# Altium PCB PCB.PcbDoc (part 2 of 2)
Units mil, origin at the board's own origin, x right, y up, seen from the top; angles counter-clockwise.
Board outline 2755.91 x 2755.91 mil, 2 copper layers (Top Layer, Bottom Layer), stack 61.811 mil thick; 228 components, 135 nets, 649 pads, 349 vias.
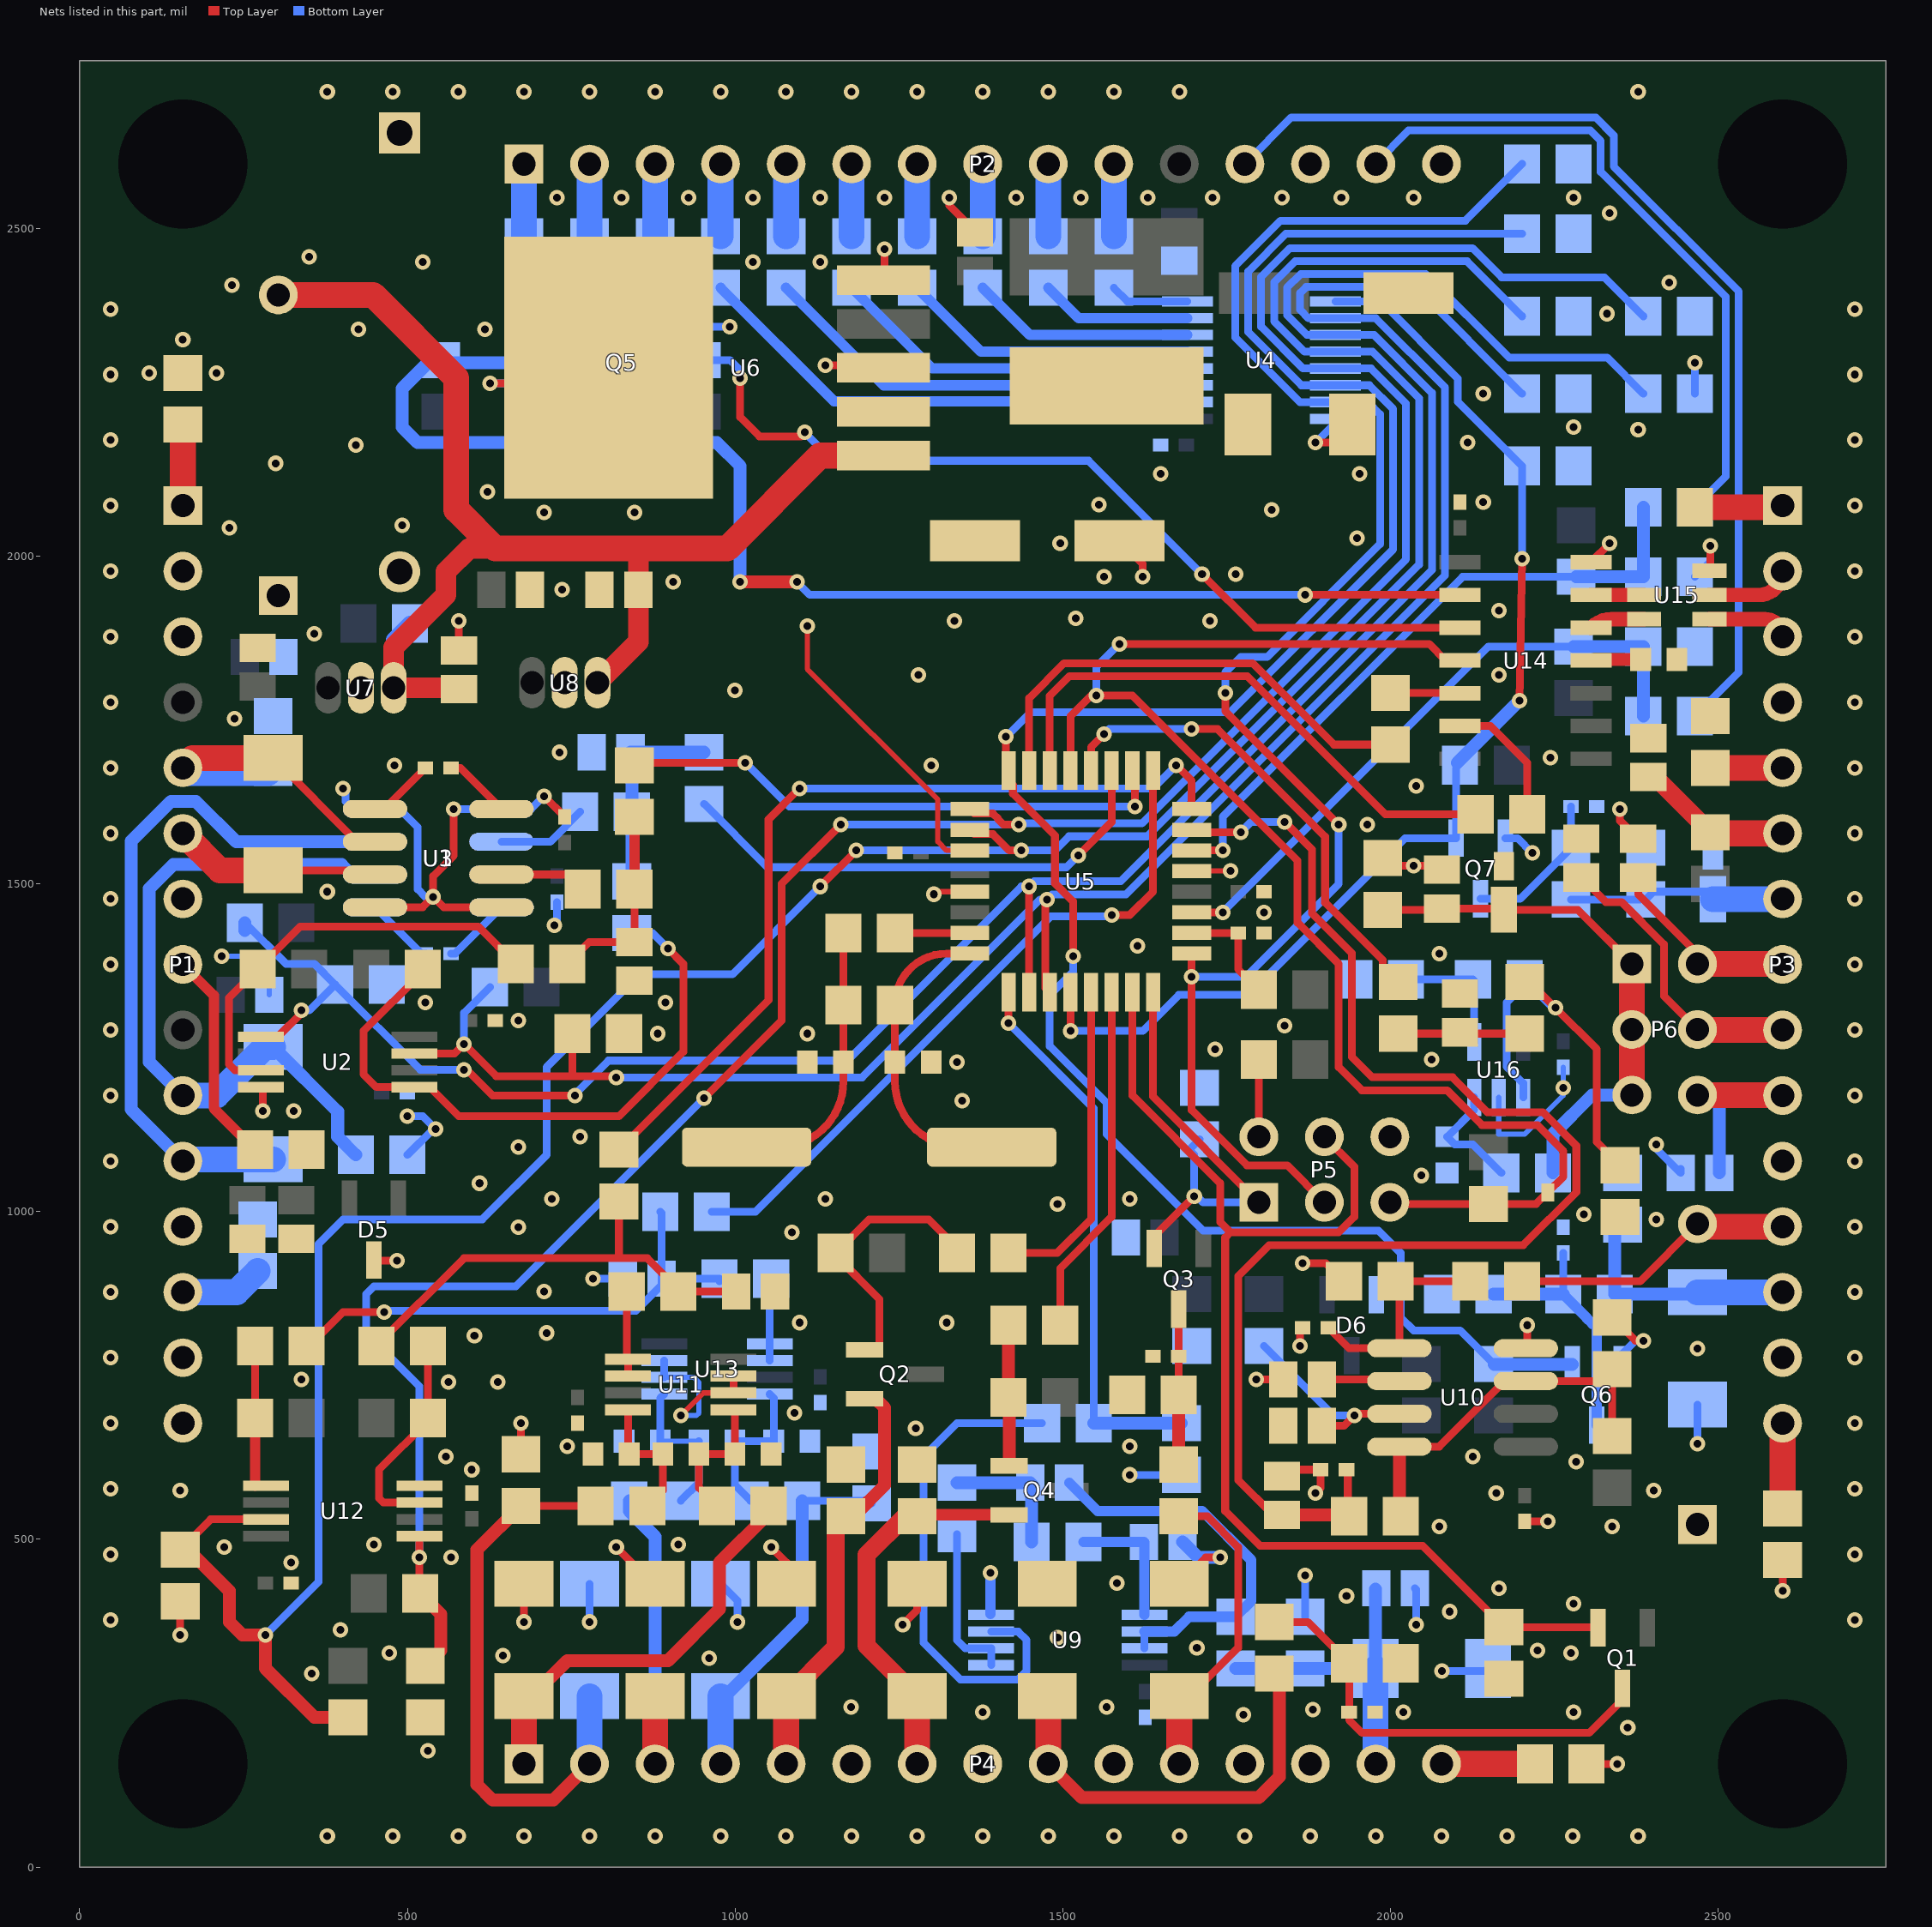
[diagram p2: the nets of this part, all layers, seen from the top]

## Via types
v1: diameter 23.62, hole 11.81, Top Layer to Bottom Layer, tented both sides, 349 vias

## Nets (pads, with @x,y where several pads share a name; then routed paths per layer and width w, separated by ;. In a path a pad name is that pad's centre, name@x,y a point inside that pad or via, vN(x,y) a via of type N, cw(c..) or ccw(c..) an arc to the next point about the centre after c; other vN are vias at no path point) (continued)
GND: C1.1 C2.1 C3.1 C4.1 C5.1 C6.1 C7.1 C8.1 C9.1 C10.1 C11.1 C12.2 C13.1 C14.1 C15.2 C16.1 C17.1 C18.1 C19.2 C20.2 C21.1 C22.1 C23.2 C24.2 C25.2 C26.2 C27.2 C28.2 C29.2 C30.2 C31.2 C32.2 C33.1 C34.2 C36.2 C37.1 C38.1 C39.1 C40.1 C41.1 C42.1 C43.1 C44.1 C45.1 C46.1 C47.2 C49.1 C50.1 C51.1 C52.2 C54.1 C55.1 C56.1 C57.1 C58.2 C59.1 C60.1 C61.1 D4.A D5.1 D6.2 L2.1 L5.1 L6.1 L7.1 L8.1 L9.1 P1.3 P1.7 P1.12 P1.14 P1.15 P2.13 P2.15 P3.4 P3.11 P3.14 P4.6 P4.8 P4.10 P4.12 P4.13 P5.6 pad.5 Q5.1 Q5.4 Q6.2 Q7.2 R4.1 R6.1 R8.1 R10.1 R11.1 R14.1 R16.1 R18.1 R25.2 R26.2 R33.2 R34.2 R42.1 R43.1 R44.1 R45.1 R46.1 R47.1 R48.1 R53.1 R65.1 R66.1 R70.1 R71.1 R73.1 R76.2 R77.1 R84.2 R86.1 R93.2 R95.1 R101.1 R103.2 R104.1 R107.2 TZ1.A TZ2.A TZ3.A TZ4.A TZ7.1 TZ8.A TZ9.1 TZ10.A TZ11.A TZ12.C TZ13.A TZ14.C TZ15.A TZ16.A U1.4 U1.5 U2.4 U3.4 U3.5 U4.8 U5.3 U5.5 U5.21 U6.3 U6.5 U6.6 U7.2 U8.2 U9.4 U10.8 U11.2 U11.3 U12.4 U13.2 U13.3 U14.14 U15.6 U16.2 | length 5212.7
  Top Layer w8: v1(917.32,688.98) 951.77,723.43 U11.2@997.82,723.43 ; v1(1110.24,1893.7) 1110.24,1827.99 1309.38,1628.85 1309.38,1564.63 1322.83,1551.18 U5.3@1358.27,1551.18 ; v1(1303.15,1484.25) 1307.09,1488.19 U5.5@1358.27,1488.19 ; U5.21@1696.85,1519.68 v1(1755.91,1519.68)
  Top Layer w11.81: v1(153.54,354.33) R93.2@153.54,405.51 ; U2.4@276.7,1189.96 279.53,1187.13 v1(279.53,1153.54) ; D5.1@448.82,926.18 449.8,925.2 v1(484.25,925.2) ; U1.4@450.79,1464.37 523.43,1464.37 v1(539.37,1480.32) ; v1(570.87,1614.17) 570.87,1543.31 539.37,1511.81 v1(539.37,1480.32) ; C26.2@578.74,1856.3 v1(578.74,1901.57) ; v1(625.98,2263.78) 783.46,2263.78 U6.6@807.09,2287.4 ; U1.5@643.7,1464.37 555.32,1464.37 v1(539.37,1480.32) ; R86.1@673.23,629.92 v1(673.23,677.17) ; v1(677.95,374.02) TZ11.A@677.95,432.17 ; v1(708.66,1633.86) C12.2@740.16,1602.36 ; v1(818.9,488.19) 874.92,432.17 TZ13.A@877.95,432.17 ; U11.2@997.82,723.43 U11.3@997.82,749.02 ; v1(1055.12,488.19) 1078.74,464.57 TZ2.A@1078.74,432.17 ; v1(1137.8,2291.34) 1222.44,2291.34 U6.3@1226.38,2287.4 ; U6.5@1226.38,2421.26 1228.35,2423.23 v1(1228.35,2468.5) ; v1(1255.91,370.08) 1277.95,392.13 TZ4.A@1277.95,432.17 ; v1@1326.77,2535.43 1366.14,2496.06 C25.2@1366.14,2494.09 ; C23.2@1586.61,2023.62 1622.05,1988.19 v1(1622.05,1968.5) ; TZ3.A@1677.95,432.17 1718.23,472.44 v1(1740.16,472.44) ; v1(1795.28,744.09) C43.1@1836.61,744.09 ; C42.1@1832.68,669.29 C42.1@1836.61,673.23 ; C38.1@1834.65,596.46 1844.49,606.3 C39.1@1893.7,606.3 1893.7,578.74 v1(1885.83,570.87) ; v1(1862.2,795.28) 1862.2,818.9 C41.1@1866.14,822.84 ; v1(1866.14,921.26) 1901.57,921.26 R71.1@1929.13,893.7 ; v1(1885.83,2173.23) 1914.37,2173.23 D4.A@1941.92,2200.79 ; R103.2@1988.19,1539.37 2000,1527.56 v1(2035.43,1527.56) 2072.83,1527.56 C6.1@2078.74,1521.65 ; C37.1@2204.72,527.56 v1(2240.16,527.56) ; U10.8@2206.69,791.54 2208.66,793.5 v1(2208.66,826.77) ; L9.1@2299.21,157.48 v1(2346.46,157.48) ; U14.14@2306.3,1990.94 2334.65,2019.29 v1(2334.65,2019.68) ; R70.1@2338.58,838.58 2374.02,803.15 v1(2385.83,803.15) ; v1(2350.39,1614.17) 2350.39,1596.46 C5.1@2377.95,1568.9 ; U15.6@2487.01,1977.94 2488.19,1979.13 v1(2488.19,2015.75) ; v1(2598.43,421.26) L7.1@2598.43,468.5
  Bottom Layer w8: v1(216.54,1389.76) 263.78,1389.76 289.37,1364.17 C9.1@289.37,1330.71 ; U13.2@891.94,747.05 937.15,747.05 944.88,739.31 944.88,692.91 940.94,688.98 v1(917.32,688.98) ; U16.2@2165.35,1174.21 2165.35,1118.11 2204.72,1118.11 2263.78,1177.17 v1(2263.78,1188.98) C58.2@2263.78,1220.47
  Bottom Layer w11.81: v1(401.57,1645.67) 405.51,1641.73 405.51,1625.98 417.13,1614.37 U3.4@450.79,1614.37 487.99,1614.37 515.75,1586.61 515.75,1491.93 527.36,1480.32 v1(539.37,1480.32) ; R34.2@500,1086.61 539.37,1125.98 v1(543.31,1125.98) 523.62,1145.67 v1(500,1145.67) ; v1(570.87,1614.17) 643.48,1614.17 688.97,1614.17 v1(708.66,1633.86) ; v1(625.98,2263.78) 777.56,2263.78 Q5.4@779.53,2261.81 ; v1(724.41,1437.01) 728.35,1440.94 C15.2@728.35,1472.44 ; v1(777.95,374.02) TZ12.C@777.95,432.17 ; v1(783.46,897.64) C54.1@828.74,897.64 ; Q5.1@874.02,2336.61 887.8,2350.39 v1(992.13,2350.39) ; U13.2@891.94,747.05 U13.3@891.94,772.64 ; TZ14.C@977.95,432.17 1003.94,406.18 v1(1003.94,374.02) ; U9.4@1389.76,385.95 U9.4@1390.87,384.84 ; v1(1602.36,598.43) 1673.23,598.43 1677.17,594.49 R66.1@1681.1,598.43 ; R65.1@1870.08,381.89 v1(1870.08,444.88) ; v1(1885.83,2173.23) 1916.15,2203.55 U4.8@1916.15,2209.65 ; C36.2@2037.4,425.2 2039.37,423.23 v1(2039.37,370.08) ; v1(2078.74,299.21) 2144.76,299.21 TZ8.A@2148.7,303.15 ; Q7.2@2175.2,1569.88 2193.9,1569.88 v1(2216.54,1547.24) ; Q6.2@2352.36,766.73 2352.36,781.5 2374.02,803.15 v1(2385.83,803.15) ; v1(2405.51,1102.36) 2405.51,1096.46 C3.1@2442.91,1059.05 C3.1@2442.91,1064.96 ; R18.1@2464.57,1968.5 2488.19,1992.13 v1(2488.19,2015.75) ; R44.1@2464.57,2248.03 v1(2464.57,2295.28) ; v1(2468.5,645.67) TZ10.A@2468.5,705.63
  Bottom Layer w15.75: U9.4@1389.76,385.95 v1(1389.76,448.82)
  Bottom Layer w19.68: C34.2@1683.07,496.06 1706.69,472.44 v1(1740.16,472.44)
  other v1: 377.95,47.24 477.95,47.24 577.95,47.24 677.95,47.24 777.95,47.24 877.95,47.24 977.95,47.24 1077.95,47.24 1177.95,47.24 1277.95,47.24 1377.95,47.24 1477.95,47.24 1577.95,47.24 1677.95,47.24 1777.95,47.24 1877.95,47.24 1977.95,47.24 2077.95,47.24 2177.95,47.24 2277.95,47.24 2377.95,47.24 531.5,177.17 2362.2,212.6 1775.59,232.28 1377.95,236.22 2019.68,236.22 2279.53,236.22 1881.89,240.16 1177.17,244.09 1566.93,244.09 354.33,295.28 960.63,318.9 645.67,322.83 472.44,326.77 2275.59,326.77 2224.41,330.71 1704.72,334.65 1492.13,350.39 397.64,362.2 47.24,377.17 2708.66,377.17 2090.55,389.76 2279.53,401.57 1933.07,413.39 2165.35,425.2 1582.68,433.07 322.83,464.57 566.93,472.44 47.24,477.17 2708.66,477.17 220.47,488.19 448.82,492.13 913.39,492.13 2074.8,519.68 2338.58,519.68 2161.42,570.87 153.54,574.8 2401.57,574.8 47.24,577.17 2708.66,577.17 598.43,606.3 2283.46,618.11 559.06,625.98 2125.98,625.98 744.09,641.73 1602.36,641.73 1275.59,669.29 47.24,677.17 2708.66,677.17 1090.55,692.91 562.99,740.16 637.8,740.16 338.58,744.09 47.24,777.17 2708.66,777.17 2468.5,791.34 602.36,811.02 712.6,814.96 1098.43,830.71 1322.83,830.71 47.24,877.17 2708.66,877.17 708.66,877.95 1086.61,968.5 669.29,976.38 47.24,977.17 2708.66,977.17 2405.51,988.19 2295.28,996.06 1492.13,1011.81 720.47,1019.68 1137.8,1019.68 1602.36,1019.68 610.24,1043.31 2047.24,1055.12 47.24,1077.17 2708.66,1077.17 669.29,1098.43 763.78,1114.17 326.77,1153.54 1346.46,1169.29 47.24,1177.17 2708.66,1177.17 1338.58,1228.35 2062.99,1232.28 1732.28,1248.03 881.89,1271.65 1110.24,1271.65 47.24,1277.17 2708.66,1277.17 1838.58,1283.46 669.29,1291.34 527.56,1318.9 893.7,1318.9 47.24,1377.17 2708.66,1377.17 2074.8,1393.7 1614.17,1405.51 1807.09,1456.69 47.24,1477.17 2708.66,1477.17 377.95,1488.19 47.24,1577.17 2708.66,1577.17 1964.57,1590.55 2039.37,1649.61 47.24,1677.17 2708.66,1677.17 480.32,1681.1 1299.21,1681.1 2244.09,1692.91 732.28,1700.79 236.22,1751.97 47.24,1777.17 2708.66,1777.17 1000,1795.28 1279.53,1818.9 2165.35,1818.9 47.24,1877.17 2708.66,1877.17 358.27,1881.89 1334.65,1901.57 1724.41,1901.57 1519.68,1905.51 2165.35,1917.32 736.22,1948.82 905.51,1960.63 1562.99,1968.5 1763.78,1972.44 47.24,1977.17 2708.66,1977.17 1496.06,2019.68 1948.82,2027.56 228.35,2043.31 492.13,2047.24 708.66,2066.93 846.46,2066.93 1818.9,2070.87 47.24,2077.17 2708.66,2077.17 1555.12,2078.74 2141.73,2082.68 622.05,2098.43 1649.61,2125.98 1952.76,2125.98 299.21,2141.73 421.26,2169.29 2118.11,2173.23 47.24,2177.17 2708.66,2177.17 2377.95,2192.91 2279.53,2196.85 2141.73,2248.03 47.24,2277.17 2708.66,2277.17 106.3,2279.53 208.66,2279.53 157.48,2330.71 425.2,2346.46 618.11,2346.46 2330.71,2370.08 47.24,2377.17 2708.66,2377.17 232.28,2413.39 2425.2,2417.32 523.62,2448.82 1027.56,2448.82 1129.92,2448.82 350.39,2456.69 2334.65,2523.62 728.35,2547.24 826.77,2547.24 929.13,2547.24 1027.56,2547.24 1129.92,2547.24 1228.35,2547.24 1326.77,2547.24 1429.13,2547.24 1527.56,2547.24 1629.92,2547.24 1728.35,2547.24 1834.65,2547.24 1925.2,2547.24 2035.43,2547.24 2279.53,2547.24 377.95,2708.66 477.95,2708.66 577.95,2708.66 677.95,2708.66 777.95,2708.66 877.95,2708.66 977.95,2708.66 1077.95,2708.66 1177.95,2708.66 1277.95,2708.66 1377.95,2708.66 1477.95,2708.66 1577.95,2708.66 1677.95,2708.66 2377.95,2708.66
NetC6_2: C6.2 P6.1 P6.3 P6.5 R100.1 R103.1 TZ15.C | length 1017.7
  Top Layer w11.81: R103.1@1988.19,1460.63 2076.77,1460.63 C6.2@2078.74,1462.6 TZ15.C@2171.26,1462.6 ; TZ15.C@2173.23,1460.63 2285.83,1460.63 P6.1@2368.5,1377.95
  Top Layer w39.37: P6.5@2368.5,1177.95 P6.3@2368.5,1277.95 P6.1@2368.5,1377.95
  Bottom Layer w19.68: R100.1@2248.03,1059.06 2248.03,1118.11 2307.87,1177.95 P6.5@2368.5,1177.95
  Bottom Layer w39.37: P6.5@2368.5,1177.95 P6.3@2368.5,1277.95 P6.1@2368.5,1377.95
NetC7_2: C7.2 L10.2 P3.6 | length 240.4
  Top Layer w11.81: C7.2@2393.7,1663.39 C7.2@2403.54,1663.39 ; L10.2@2488.19,1578.74 L10.2@2489.76,1577.17
  Top Layer w27.56: C7.2@2403.54,1663.39 L10.2@2488.19,1578.74
  Top Layer w39.37: L10.2@2489.76,1577.17 P3.6@2598.43,1577.17
NetC10_2: C10.2 Q1.1 R3.2 R4.2 | length 690.3
  Top Layer w11.81: R3.2@1822.83,374.02 1874.02,374.02 R4.2@1937.01,311.02 C10.2@1937.01,236.22 1937.01,224.41 1956.69,204.72 2303.15,204.72 2354.33,255.91 Q1.1@2354.33,272.64
NetC11_2: C11.2 Q3.1 R9.2 R10.2 | length 237.2
  Top Layer w11.81: R10.2@1677.17,720.47 C11.2@1677.17,779.53 Q3.1@1677.17,851.38
  Top Layer w19.68: R9.2@1677.17,614.17 R10.2@1677.17,720.47
NetC14_2: C14.2 R20.1 R22.2 R23.2 | length 307.2
  Top Layer w11.81: R23.2@744.09,1377.95 777.56,1411.42 C14.2@846.46,1411.42 R22.2@846.46,1492.13
  Top Layer w15.75: R22.2@846.46,1492.13 R20.1@846.46,1602.36
NetC16_2: C16.2 R28.1 R30.2 R31.2 | length 309.9
  Bottom Layer w11.81: C16.2@840.55,1700.79 C16.2@842.52,1698.82
  Bottom Layer w19.68: C16.2@840.55,1700.79 R28.1@952.76,1700.79 ; R31.2@842.52,1503.94 R30.2@842.52,1610.24 C16.2@842.52,1698.82
NetC19_1: C19.1 R54.2 R55.1 Y1.2 | length 431.5
  Top Layer w11.81: Y1.2@1017.71,1098.43 1065.35,1098.43 ccw(c1065.35,1198.43) 1165.35,1198.43 C19.1@1165.35,1228.35 R55.1@1165.35,1314.96 R54.2@1165.35,1425.2
NetC20_1: C20.1 R55.2 U5.8 Y1.1 | length 480.4
  Top Layer w11.81: U5.8@1358.27,1393.7 1322.83,1393.7 ccw(c1322.83,1314.96) R55.2@1244.09,1314.96 C20.1@1244.09,1228.35 1244.09,1198.43 ccw(c1344.09,1198.43) 1344.09,1098.43 Y1.1@1391.73,1098.43
NetC22_2: C22.2 L3.1 U5.18 | length 170.5
  Top Layer w11.81: U5.18@1696.85,1425.2 C22.2@1767.72,1425.2 1767.72,1370.08 L3.1@1799.21,1338.58
NetC34_1: C34.1 R63.2 U9.5 | length 204.1
  Bottom Layer w11.81: C34.1@1624.02,496.06 C34.1@1624.87,495.2
  Bottom Layer w15.75: R63.2@1531.5,496.06 C34.1@1624.02,496.06 ; U9.5@1624.87,384.84 C34.1@1624.87,495.2
NetC35_1: C35.1 R62.2 R63.1 | length 203.6
  Bottom Layer w11.81: C35.1@1450.79,586.61 C35.1@1452.76,584.65
  Bottom Layer w19.68: R62.2@1338.58,586.61 C35.1@1450.79,586.61 ; R63.1@1452.76,496.06 C35.1@1452.76,584.65
NetC35_2: C35.2 R61.1 U9.6 U9.7 | length 596.8
  Bottom Layer w11.81: U9.7@1624.87,333.66 U9.6@1624.87,359.25
  Bottom Layer w15.75: C35.2@1509.84,586.61 1553.15,543.31 1712.6,543.31 1787.4,468.5 1787.4,405.51 R61.1@1763.78,381.89 1692.91,381.89 1670.28,359.25 U9.6@1624.87,359.25
NetC36_1: C36.1 P4.14 R61.2 R65.2 TZ8.C | length 481.9
  Bottom Layer w11.81: P4.14@1977.28,158.15 P4.14@1977.95,157.48 ; C36.1@1977.28,424.13 C36.1@1978.35,425.2
  Bottom Layer w19.68: R61.2@1763.78,303.15 R65.2@1870.08,303.15 TZ8.C@1977.28,303.15 C36.1@1977.28,424.13
  Bottom Layer w39.37: P4.14@1977.28,158.15 TZ8.C@1977.28,303.15
NetC38_2: C38.2 C39.2 R69.2 U5.23 | length 2159.5
  Top Layer w11.81: U5.23@1696.85,1582.68 1700.79,1578.74 v1(1771.65,1578.74) ; C38.2@1834.65,537.4 1820.87,537.4 1767.72,590.55 1767.72,901.57 1814.83,948.69 1929.47,948.69 1929.59,948.82 2202.74,948.82 2283.72,1029.8 2283.72,1100.58 2232.47,1151.83 2147.84,1151.83 2094.69,1204.98 1972.19,1204.98 1941.07,1236.09 1941.07,1394.53 1880.52,1455.08 1880.52,1552.55 v1(1838.58,1594.49) ; C39.2@1933.07,606.3 1935.04,604.33 R69.2@1935.04,537.4
  Top Layer w19.68: C38.2@1834.65,537.4 R69.2@1935.04,537.4
  Bottom Layer w11.81: v1(1771.65,1578.74) 1787.4,1594.49 v1(1838.58,1594.49)
NetC41_2: C41.2 R68.2 R71.2 U10.1 | length 340
  Top Layer w11.81: C41.2@1905.51,822.84 1936.81,791.54 U10.1@2013.78,791.54 2013.78,887.8 R71.2@2007.87,893.7 R68.2@2122.05,893.7
NetC42_2: C42.2 R72.2 U10.3 | length 307.5
  Top Layer w11.81: C42.2@1895.67,673.23 1929.13,673.23 v1(1944.88,688.98) 1947.44,691.54 U10.3@2013.78,691.54
  Bottom Layer w11.81: R72.2@1807.09,795.28 1913.39,688.98 v1(1944.88,688.98)
NetC43_2: C43.2 U10.2 | length 119.2
  Top Layer w11.81: C43.2@1895.67,744.09 2011.22,744.09 U10.2@2013.78,741.54
NetC44_2: C44.2 Q6.1 R75.2 R77.2 | length 390.8
  Bottom Layer w11.81: R75.2@2263.78,874.02 C44.2@2263.78,937.01
  Bottom Layer w15.75: R75.2@2263.78,874.02 2299.09,838.71 2299.09,837.91 2308.39,828.61 2309.18,828.61 2314.96,822.83 Q6.1@2314.96,674.21
  Bottom Layer w19.68: R77.2@2157.48,874.02 R75.2@2263.78,874.02
NetC47_1: C47.1 C48.2 R81.2 U11.1 | length 214.1
  Top Layer w11.81: R81.2@972.44,551.18 944.88,578.74 C48.2@944.88,629.92 C47.1@1000,629.92 1000,695.66 U11.1@997.82,697.83
NetC48_1: C48.1 C50.2 R85.2 U11.8 | length 208.3
  Top Layer w11.81: U11.8@836.82,697.83 836.82,631.68 C50.2@838.58,629.92 C48.1@889.76,629.92 889.76,574.8 R85.2@866.14,551.18
NetC49_2: C49.2 R79.2 R82.1 R83.1 | length 714.8
  Top Layer w11.81: R83.1@452.76,795.28 586.61,929.13 822.83,929.13 ; R79.2@822.83,1015.75 822.83,929.13 ; C49.2@1001.97,877.95 R82.1@913.39,877.95 913.39,881.89 866.14,929.13 822.83,929.13
NetC52_1: C52.1 C53.2 R90.2 U13.1 | length 235.4
  Bottom Layer w8: C52.1@885.83,649.61 C53.2@944.88,649.61
  Bottom Layer w11.81: C52.1@885.83,649.61 885.83,715.34 U13.1@891.94,721.46 ; R90.2@917.32,559.06 944.88,586.61 C53.2@944.88,649.61
NetC53_1: C53.1 C55.2 R94.2 U13.8 | length 233.8
  Bottom Layer w11.81: R94.2@1023.62,559.06 1000,582.68 C53.1@1000,649.61 C55.2@1059.06,649.61 1059.06,715.34 U13.8@1052.94,721.46
NetC54_2: C54.2 R88.2 R91.1 R92.1 | length 785.2
  Top Layer w11.81: R92.1@346.46,795.28 350.39,795.28 401.57,846.46 v1(464.57,846.46)
  Bottom Layer w11.81: v1(464.57,846.46) 466.66,848.55 848.55,848.55 887.8,887.8 C54.2@887.8,897.64 ; R88.2@885.83,1000 887.8,998.03 C54.2@887.8,897.64 ; R91.1@976.38,893.7 R91.1@976.38,897.64 C54.2@887.8,897.64
NetC57_2: C57.2 U14.11 | length 76
  Top Layer w11.81: U14.11@2306.3,1840.94 cw(c2310.1,1837.14) U14.11@2310.1,1842.52
  Top Layer w19.68: U14.11@2310.1,1842.52 C57.2@2381.89,1842.52
NetC59_2: C59.2 R98.1 R99.2 | length 192.9
  Top Layer w11.81: R99.2@2011.81,1271.65 R98.1@2204.72,1271.65
NetC60_2: C60.2 R100.2 U16.3 | length 182.7
  Bottom Layer w11.81: U16.3@2127.95,1174.21 2127.95,1155.51 C60.2@2086.61,1114.17 2098.43,1102.36 2125.98,1102.36 R100.2@2169.29,1059.06
NetC61_2: C61.2 Q7.1 R106.1 | length 233
  Bottom Layer w11.81: Q7.1@2137.8,1477.36 2197.83,1477.36 R106.1@2275.59,1555.12 C61.2@2275.59,1618.11
NetD4_2: D4.C L4.1 U6.2
NetL1_2: L1.2 P3.1 | length 134.8
  Top Layer w11.81: P3.1@2596.06,2074.8 P3.1@2598.43,2077.17
  Top Layer w39.37: L1.2@2464.57,2074.8 P3.1@2596.06,2074.8
NetL2_2: L2.2 P1.8 | length 328.3
  Top Layer w15.75: P1.8@157.48,1377.17 204.72,1329.92 204.72,1157.48 L2.2@267.72,1094.49
NetL5_2: L5.2 P1.1 | length 123.6
  Top Layer w39.37: P1.1@157.48,2077.17 L5.2@157.48,2200.79
NetL6_2: L6.2 P3.5 | length 110.2
  Top Layer w39.37: L6.2@2488.19,1677.17 P3.5@2598.43,1677.17
NetL7_2: L7.2 P3.15 | length 129.9
  Top Layer w39.37: L7.2@2598.43,547.24 P3.15@2598.43,677.17
NetL8_2: L8.2 P1.13 | length 127.5
  Bottom Layer w39.37: P1.13@157.48,877.17 239.37,877.17 L8.2@271.65,909.45
NetL9_2: L9.2 P4.15 | length 142.5
  Top Layer w39.37: P4.15@2077.95,157.48 L9.2@2220.47,157.48
NetP1_5: P1.5 R26.1 TZ5.C U1.2 | length 496.6
  Top Layer w11.81: TZ5.C@295.28,1692.01 422.91,1564.37 U1.2@450.79,1564.37
  Top Layer w39.37: P1.5@157.48,1677.17 172.32,1692.01 TZ5.C@295.28,1692.01
  Bottom Layer w11.81: P1.5@157.48,1677.17 P1.5@165.35,1669.29
  Bottom Layer w39.37: P1.5@165.35,1669.29 287.4,1669.29 R26.1@295.28,1677.17
NetP1_6: P1.6 TZ5.A U1.3 | length 319.3
  Top Layer w11.81: TZ5.A@295.28,1520.59 444.57,1520.59 U1.3@450.79,1514.37
  Top Layer w39.37: P1.6@157.48,1577.17 214.06,1520.59 TZ5.A@295.28,1520.59
NetP1_10: P1.10 R34.1 TZ6.C U3.2 | length 1087.9
  Bottom Layer w19.68: P1.10@157.48,1177.17 106.43,1228.22 106.43,1493.1 142.85,1529.53 399.61,1529.53 414.76,1514.37 U3.2@450.79,1514.37 ; TZ6.C@295.28,1251.06 393.7,1152.64 393.7,1114.17 R34.1@421.26,1086.61
  Bottom Layer w39.37: P1.10@157.48,1177.17 208.66,1177.17 282.56,1251.06 TZ6.C@295.28,1251.06
NetP1_11: P1.11 TZ6.A U3.3 | length 1082.3
  Bottom Layer w11.81: P1.11@157.48,1077.17 P1.11@159.96,1079.65
  Bottom Layer w19.68: P1.11@157.48,1077.17 78.74,1155.91 78.74,1565.42 139.31,1625.98 177.17,1625.98 238.78,1564.37 U3.3@450.79,1564.37
  Bottom Layer w39.37: P1.11@159.96,1079.65 TZ6.A@295.28,1079.65
NetP2_1: P2.1 R53.2 | length 110.2
  Bottom Layer w39.37: R53.2@677.95,2488.19 P2.1@677.95,2598.43
NetP2_2: P2.2 R49.2 | length 110.2
  Bottom Layer w39.37: R49.2@777.95,2488.19 P2.2@777.95,2598.43
NetP2_3: P2.3 R50.2 | length 110.2
  Bottom Layer w39.37: R50.2@877.95,2488.19 P2.3@877.95,2598.43
NetP2_4: P2.4 R35.2 | length 110.2
  Bottom Layer w39.37: R35.2@977.95,2488.19 P2.4@977.95,2598.43
NetP2_5: P2.5 R36.2 | length 110.2
  Bottom Layer w39.37: R36.2@1077.95,2488.19 P2.5@1077.95,2598.43
NetP2_6: P2.6 R37.2 | length 110.2
  Bottom Layer w39.37: R37.2@1177.95,2488.19 P2.6@1177.95,2598.43
NetP2_7: P2.7 R38.2 | length 110.2
  Bottom Layer w39.37: R38.2@1277.95,2488.19 P2.7@1277.95,2598.43
NetP2_8: P2.8 R39.2 | length 110.2
  Bottom Layer w39.37: R39.2@1377.95,2488.19 P2.8@1377.95,2598.43
NetP2_9: P2.9 R40.2 | length 110.2
  Bottom Layer w39.37: R40.2@1477.95,2488.19 P2.9@1477.95,2598.43
NetP2_10: P2.10 R41.2 | length 110.2
  Bottom Layer w39.37: R41.2@1577.95,2488.19 P2.10@1577.95,2598.43
NetP2_12: P2.12 R15.1 | length 1596.5
  Bottom Layer w11.81: P2.12@1777.95,2598.43 1848.94,2669.42 2313.3,2669.42 2340.8,2641.92 2340.8,2594.67 2531.62,2403.86 2531.62,1822.96 R15.1@2464.57,1755.91
NetP2_14: P2.14 R17.2 | length 1029.3
  Bottom Layer w11.81: P2.14@1977.95,2598.43 1977.95,2600 2027.56,2649.61 2305.1,2649.61 2320.99,2633.71 2320.99,2586.47 2511.81,2395.65 2511.81,2122.05 R17.2@2464.57,2074.8
NetP3_2: P3.2 U15.5 | length 132.1
  Top Layer w22.05: U15.5@2487.01,1940.94 2562.2,1940.94 ccw(c2562.2,1977.17) P3.2@2598.43,1977.17
NetP3_3: P3.3 U15.4 | length 126.7
  Top Layer w22.05: U15.4@2487.01,1903.94 2571.65,1903.94 cw(c2571.65,1877.17) P3.3@2598.43,1877.17
NetP3_7: P3.7 R106.2 R107.1 TZ16.C | length 332.6
  Bottom Layer w11.81: R106.2@2275.59,1476.38 R107.1@2389.76,1476.38 2401.57,1488.19 2480.7,1488.19 TZ16.C@2492.13,1476.77 ; P3.7@2598.03,1476.77 P3.7@2598.43,1477.17
  Bottom Layer w39.37: TZ16.C@2492.13,1476.77 P3.7@2598.03,1476.77
NetP3_12: P3.12 R68.1 TZ9.2 | length 435.6
  Top Layer w11.81: R68.1@2200.79,893.7 2380.91,893.7 TZ9.2@2468.5,981.3
  Top Layer w39.37: TZ9.2@2468.5,981.3 2472.64,977.17 P3.12@2598.43,977.17
NetP3_13: P3.13 R75.1 R76.1 TZ10.C | length 368.4
  Bottom Layer w11.81: R76.1@2342.52,968.5 R76.1@2354.33,980.31 ; TZ10.C@2465.47,874.02 TZ10.C@2468.5,877.05 ; P3.13@2598.31,877.05 P3.13@2598.43,877.17
  Bottom Layer w19.68: R76.1@2342.52,968.5 R75.1@2342.52,874.02 TZ10.C@2465.47,874.02